# Altium PCB Tigershark 3D R2.1.PcbDoc (part 1 of 4) (continued)
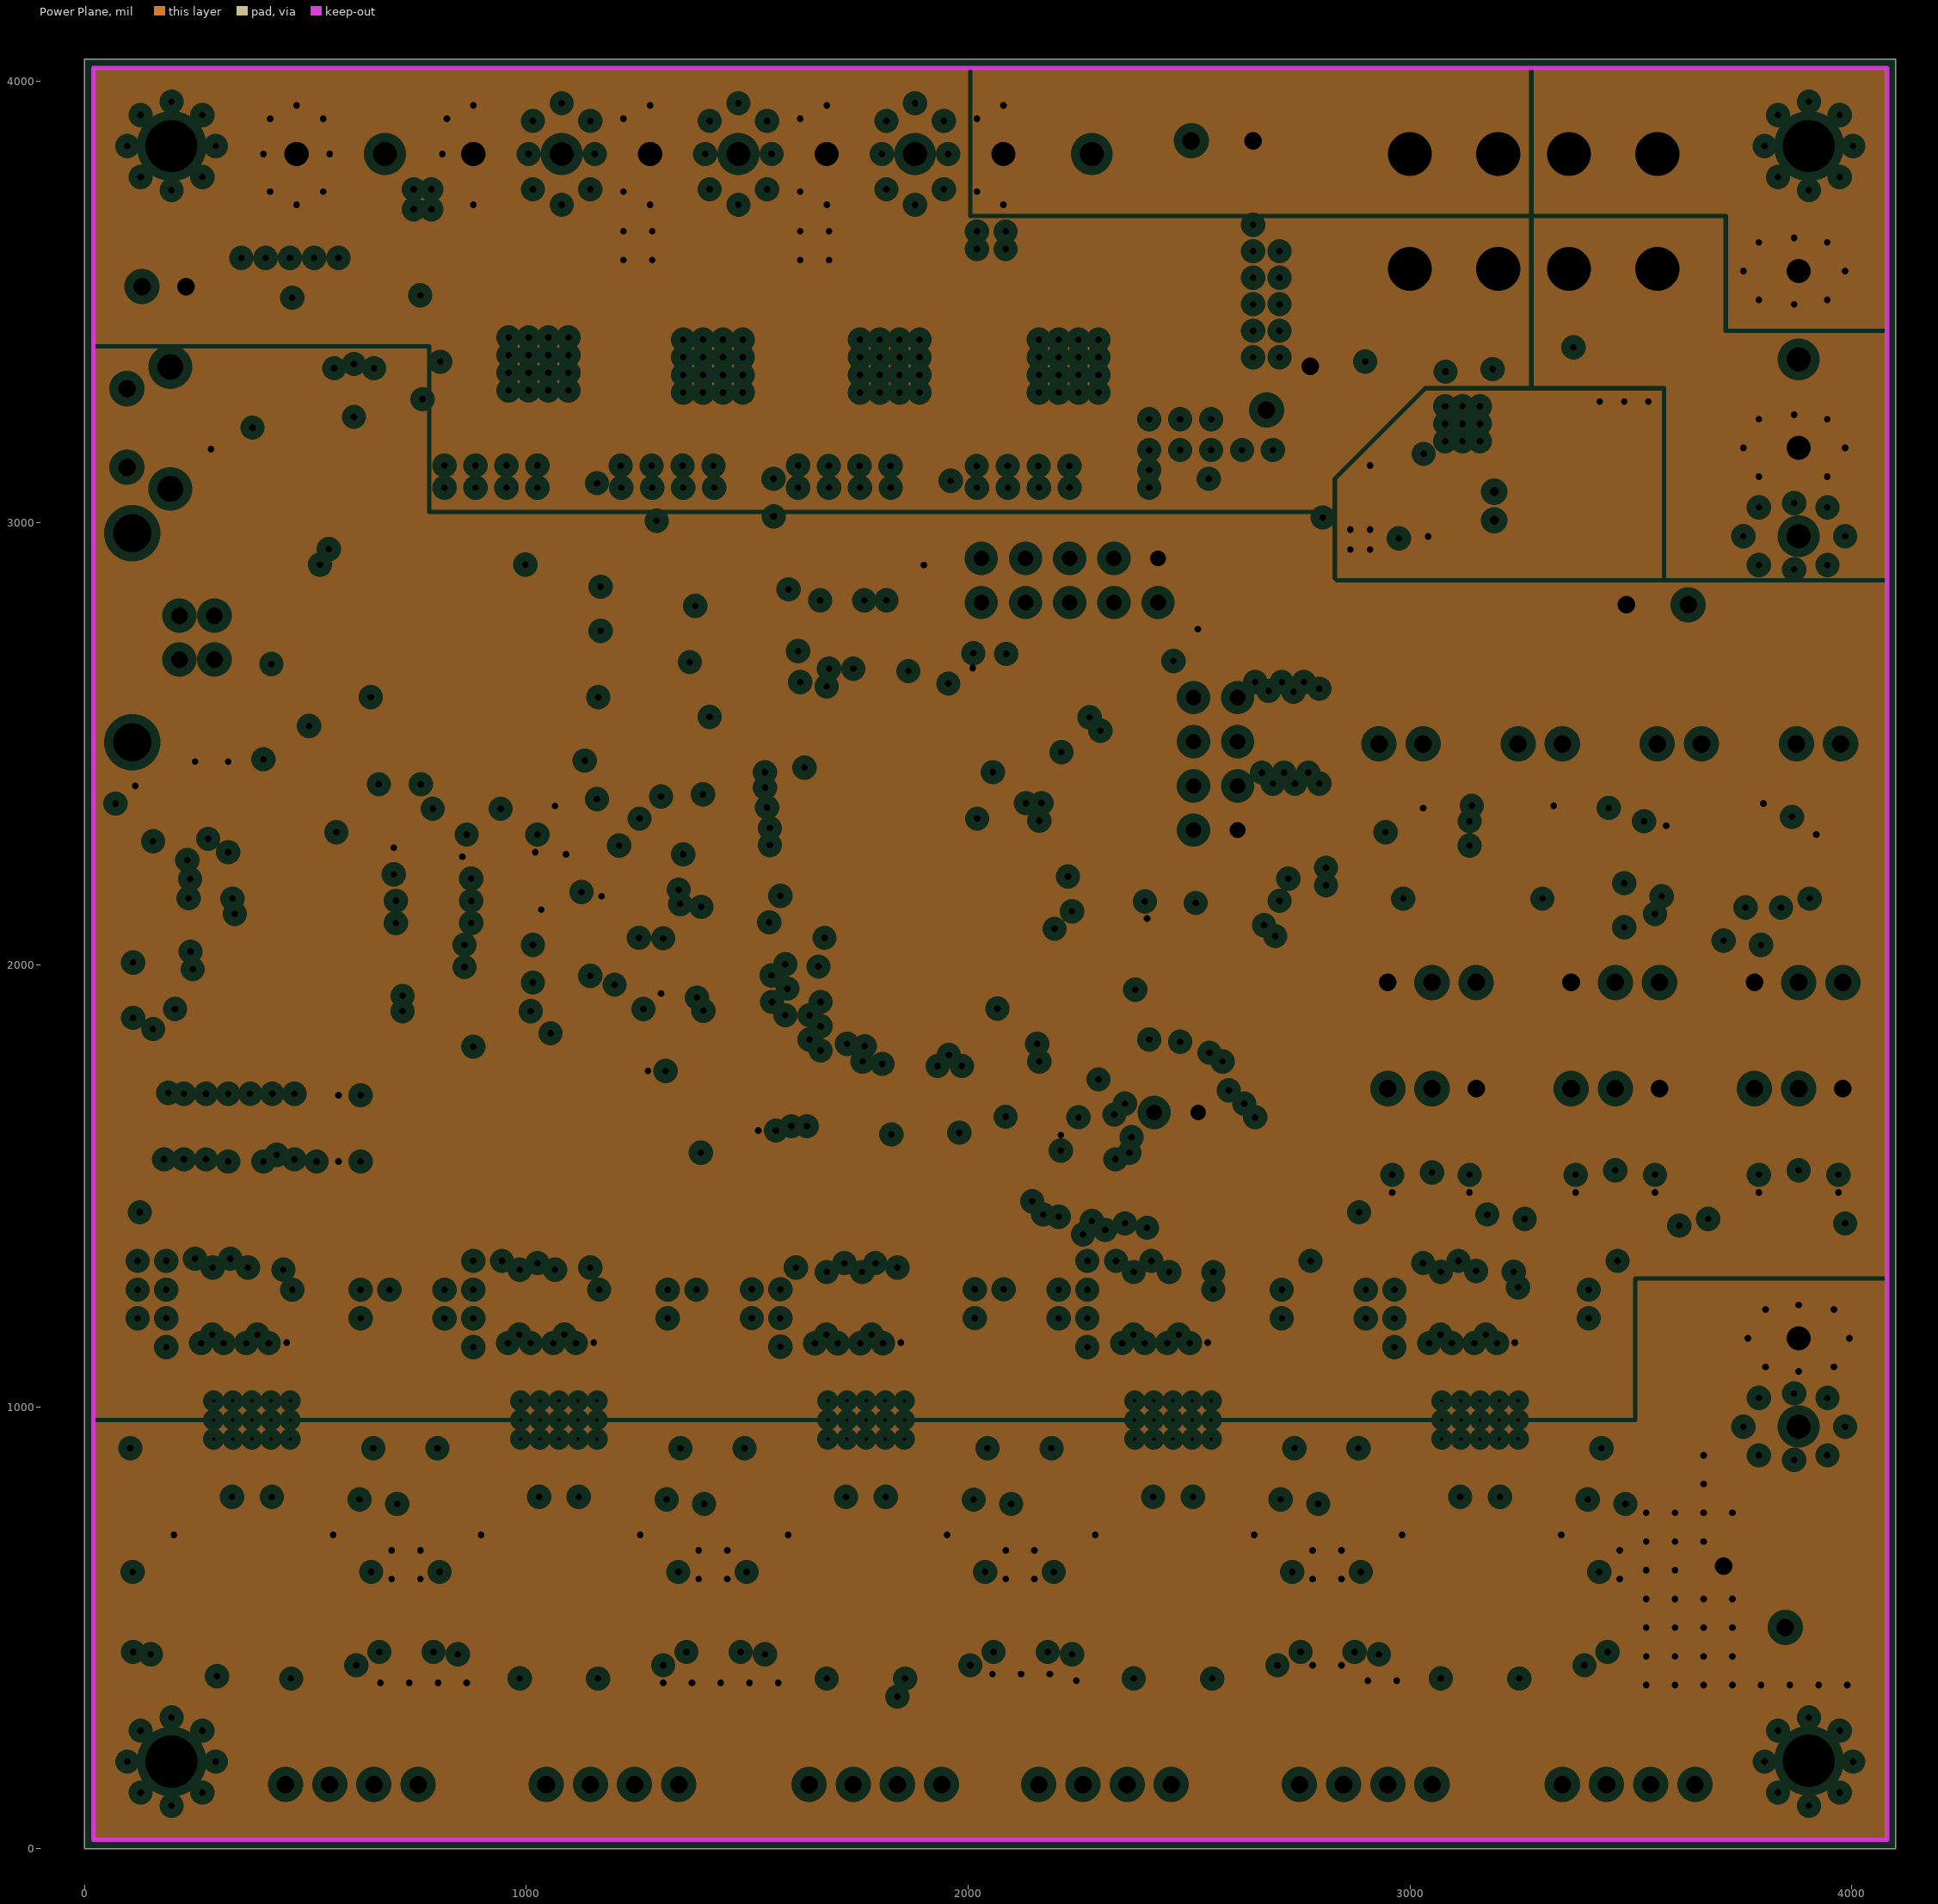
[diagram p3: Power Plane, clearances drawn from the general rule]

## Layer stack, top to bottom
Top Solder: solder mask 0.4, Solder Resist, Dk 3.5
Top Layer: signal copper 2.75
Dielectric1: prepreg 21.654, FR-4, Dk 4.2
Groun Plane: plane copper 1.4, net (Multiple Nets)
Dielectric2: core 10.236, FR-4, Dk 4.2
Power Plane: plane copper 1.4, net (Multiple Nets)
Dielectric3: prepreg 21.54, FR-4, Dk 4.2
Bottom Layer: signal copper 2.75
Bottom Solder: solder mask 0.4, Solder Resist, Dk 3.5

## Board outline
0,0 4100,0 4100,4050 0,4050

## Design rules (kind name [scope] priority, off if disabled: settings)
Clearance [All] p1: gap=7
ComponentClearance [All] p1: gap=0 collisioncheckmode=3 verticalgap=10 showdistances=FALSE
DiffPairsRouting [All] p1: maxlimit=10 minlimit=10 mostfreqgap=10 toplayer_minwidth=15 toplayer_maxwidth=15 toplayer_prefwidth=15 bottomlayer_minwidth=15 bottomlayer_maxwidth=15 bottomlayer_prefwidth=15 maxuncoupledlength=500
FanoutControl Fanout_SOIC [(InComponent('U8') AND InComponent('U7'))] p3: bgadir=Out bgaviamode=Centered fanoutstyle=Staggered fanoutdirection=Alternating viagrid=1 // Fanout_SOIC (Default Rule)
FanoutControl Fanout_Small [All] p4: bgadir=Out bgaviamode=Centered fanoutstyle=Auto fanoutdirection=Alternating viagrid=1 // Fanout_Small (Default Rule)
HoleSize [All] p1: absolutevalues=TRUE maxlimit=200 minlimit=15 maxpercent=80.000 minpercent=20.000
MinimumSolderMaskSliver [All] p1 off: minsoldermaskwidth=10
PlaneClearance [All] p1: clearance=20
PlaneConnect [All] p1: planeconnectstyle=Direct reliefexpansion=20 reliefentries=4 reliefconductorwidth=10 reliefairgap=10
PolygonConnect [All] p1: connectstyle=Direct reliefconductorwidth=45 reliefentries=4 polygonreliefangle="90 Angle" airgapwidth=10
RoutingVias [All] p1: holewidth=15 width=25 viastyle="Through Hole" minholewidth=15 minwidth=25 maxholewidth=28 maxwidth=50
SilkToSilkClearance [All] p1 off: silktosilkclearance=10
SilkToSolderMaskClearance SilkscreenOverComponentPads [IsPad] p1 off: minsilkscreentomaskgap=10 clearancetoexposedcopper=TRUE
SolderMaskExpansion [All] p1: expansion=4
UnpouredPolygon [All] p1: allowunpoured=FALSE
Width [All] p1: maxlimit=200 minlimit=7 preferedwidth=8 minimp=50.000000 maximp=50.000000 favimp=50.000000
19 further rules are at their usual default settings.

## Classes and differential pairs
net class TP21_Nets: STEP_Z
net class TP20_Nets: DIR_Z
net class TP19_Nets: MOD0E_Z
net class TP18_Nets: MOD1E_Z
net class TP17_Nets: MOD2E_Z
net class TP16_Nets: EN_Z
net class TP15_Nets: REF_Z
net class STEP_BUS[1..4]: STEP_BUS1 STEP_BUS2 STEP_BUS3 STEP_BUS4
net class REF_BUS[1..4]: REF_BUS1 REF_BUS2 REF_BUS3 REF_BUS4
net class R39_Nets: GND NetR39_2
net class R38_Nets: GND NetR38_2
net class R37_Nets: NetC51_2 REF_Z
net class R36_Nets: +12VCC1 NetC35_2
net class MOD2E_BUS[1..4]: MOD2E_BUS1 MOD2E_BUS2 MOD2E_BUS3 MOD2E_BUS4
net class MOD1E_BUS[1..4]: MOD1E_BUS1 MOD1E_BUS2 MOD1E_BUS3 MOD1E_BUS4
net class MOD0E_BUS[1..4]: MOD0E_BUS1 MOD0E_BUS2 MOD0E_BUS3 MOD0E_BUS4
net class M3_Nets: NetC52_1 NetC62_1 NetC67_1 NetC72_1
net class M2_Nets: NetC52_1 NetC62_1 NetC67_1 NetC72_1
net class EN_BUS[1..4]: EN_BUS1 EN_BUS2 EN_BUS3 EN_BUS4
net class DRV_RESET_BUS[1..4]: DRV_RESET_BUS1 DRV_RESET_BUS2 DRV_RESET_BUS3 DRV_RESET_BUS4
net class DIR_BUS[1..4]: DIR_BUS1 DIR_BUS2 DIR_BUS3 DIR_BUS4
net class D28_Nets: GND NetC72_1
net class D27_Nets: GND NetC67_1
net class D26_Nets: GND NetC62_1
net class D25_Nets: GND NetC52_1
net class C72_Nets: GND NetC72_1
net class C70_Nets: 3.3VCC GND
net class C67_Nets: GND NetC67_1
net class C62_Nets: GND NetC62_1
net class C52_Nets: GND NetC52_1
net class C51_Nets: GND NetC51_2
net class C50_Nets: GND NetC50_2
net class C49_Nets: NetC49_1 NetC49_2
net class C35_Nets: +12VCC1 NetC35_2
net class C69_Nets: 3.3VCC GND
net class U5_Nets: 3.3VCC +12VCC1 DIR_Z EN_Z GND MOD0E_Z MOD1E_Z MOD2E_Z NetC35_2 NetC49_1 NetC49_2 NetC50_2 NetC51_2 NetC52_1 NetC62_1 NetC67_1 NetC72_1 NetR38_2 NetR39_2 NetU7_M5_18 NetU7_M5_19 NetU7_M5_27 STEP_Z
net class R35_Nets: GND NetC34_2
net class D24_Nets: FGND NetC34_2
net class C34_Nets: GND NetC34_2
net class P3_Nets: 3.3VCC EXP_CS GND I2C_SCL I2C_SDA MISO MOSI NetP3_1 NetP3_3 NetP3_5 NetP3_7 RXD1 SCLK TXD1
net class T4_Nets: 3.3VCC AN_EXP0 AN_EXP1 DIR_EXP1 DIR_EXP2 EN_EXP1 EN_EXP2 GND MODE0_EXP1 MODE0_EXP2 MODE1_EXP1 MODE1_EXP2 MODE2_EXP1 MODE2_EXP2 REF_EXP1 REF_EXP2 STEP_EXP1 STEP_EXP2
net class R34_Nets: 3.3VCC MCDZ2
net class R29_Nets: 3.3VCC MCDZ3
net class R28_Nets: 3.3VCC MCCDZ
net class R27_Nets: 3.3VCC MCCK
net class R26_Nets: 3.3VCC MCDZ0
net class R25_Nets: 3.3VCC MCDZ1
net class T3_Nets: 3.3VCC EXP_CS2 EXP_SYNC GND I2C_SCL I2C_SDA MCCDZ MCCK MCDZ0 MCDZ1 MCDZ2 MCDZ3 MISO MOSI RESET RXD0 SCLK TXD0
net class C29_Nets: 3.3VCC GND
net class SD_Nets: 3.3VCC GND MCCDZ MCCK MCDZ0 MCDZ1 MCDZ2 MCDZ3 NetC34_2 NetSD_1 NetSD_2 NetSD_3 NetSD_4 NetSD_5 NetSD_6 NetSD_7 NetSD_8 NetSD_9 NetSD_10 NetSD_11 NetSD_12 NetSD_13
net class R24_Nets: INPUT_GND NetC24_2
net class D8_Nets: FGND NetC24_2
net class C24_Nets: INPUT_GND NetC24_2
net class FB1_Nets: 3.3VCC NetC19_2
net class C19_Nets: GND NetC19_2
channel class TR: TR1 TR2
channel class TC: TC1 TC2
channel class M: M1 M2 M3 M4 M5
channel class ES: ES1 ES2 ES3
component class TR2: C30_TR2 D3_ThermistorChannel2 D3_TR2 D5_ThermistorChannel2 D5_TR2 P2_TR2 R14_TR2 R19_ThermistorChannel2 R19_TR2 TP52_TR2
component class TR1: C30_ThermistorChannel1 C30_TR1 D3_ThermistorChannel1 D3_TR1 D5_ThermistorChannel1 D5_TR1 P2_TR1 R14_TR1 R19_ThermistorChannel1 R19_TR1 TP52_TR1
net class THERM_AN_BUS[1..2]: THERM_AN0
net class TC_CS_BUS[1..2]: TC_CS0
net class SCLK[1..2]: SCLK0 SCLK1 SCLK2
net class MISO[1..2]: MISO0 MISO1 MISO2
net class MIN_ES_BUS[1..3]: MIN_ES0
net class MAX_ES_BUS[1..3]: MAX_ES0
component class Designator: C4 C7 C9 C10 C11 C15 C16 C18 C21 C22 C40 D1 D2 D4 D6 D7 D9 F1 F2 H1 H2 H3 H4 "Heat Power" L1 "Motor Power" R1 R7 R8 R9 R10 R11 R12 R17 TP1 TP2 TP3 U1 U2
component class "ATSAM3X8E Main Controller": C13 C19 C23 C24 C27 C28 C29 C32 C33 C34 C36 C37 C38 C39 C41 C42 C43 C44 C45 C46 C47 C48 C53 C54 C55 C56 C57 C58 C59 C60 C61 C63 C64 C65 C73 D8 D24 DA1 DA2 DA3 DA4 DA5 FB1 FB4 FB5 FB6 FB7 FB8 FB9 FD1 FD2 FD3 JTAG/DEBUG LOGO1 microSD P1 P3 P4 R4 R5 R6 R15 R16 R18 R20 R21 R22 R23 R24 R25 R26 R27 R28 R29 R34 R35 S1 SD T3 T4 TP4 TP5 TP6 TP7 TP8 U3 U6 USB X2
component class M1: C3_M1 C5_M1 C6_M1 C8_M1 C12_M1 C14_M1 C66_M1 C68_M1 C71_M1 C75_M1 D20_M1 D21_M1 D22_M1 D23_M1 M1_M1 R30_M1 R31_M1 R32_DriverChannelDRV88251 R32_M1 R33_DriverChannelDRV88251 R33_M1 TP32_M1 TP33_M1 TP35_M1 TP36_M1 TP37_M1 TP39_M1 TP40_M1 U7_M1
component class M2: C3_M2 C5_M2 C6_M2 C8_M2 C12_M2 C14_M2 C66_M2 C68_M2 C71_M2 C75_M2 D20_M2 D21_M2 D22_M2 D23_M2 M1_M2 R30_M2 R31_M2 R32_DriverChannelDRV88252 R32_M2 R33_DriverChannelDRV88252 R33_M2 TP32_M2 TP33_M2 TP35_M2 TP36_M2 TP37_M2 TP39_M2 TP40_M2 U7_M2
component class M3: C3_M3 C5_M3 C6_M3 C8_M3 C12_M3 C14_M3 C66_M3 C68_M3 C71_M3 C75_M3 D20_M3 D21_M3 D22_M3 D23_M3 M1_M3 R30_M3 R31_M3 R32_DriverChannelDRV88253 R32_M3 R33_DriverChannelDRV88253 R33_M3 TP32_M3 TP33_M3 TP35_M3 TP36_M3 TP37_M3 TP39_M3 TP40_M3 U7_M3
component class M4: C3_M4 C5_M4 C6_M4 C8_M4 C12_M4 C14_M4 C66_M4 C68_M4 C71_M4 C75_M4 D20_M4 D21_M4 D22_M4 D23_M4 M1_M4 R30_M4 R31_M4 R32_DriverChannelDRV88254 R32_M4 R33_DriverChannelDRV88254 R33_M4 TP32_M4 TP33_M4 TP35_M4 TP36_M4 TP37_M4 TP39_M4 TP40_M4 U7_M4
component class U_MZ: C35 C49 C50 C51 C52 C62 C67 C69 C70 C72 D25 D26 D27 D28 M2 M3 R32_DriverChannelDRV88255 R33_DriverChannelDRV88255 R36 R37 R38 R39 TP15 TP16 TP17 TP18 TP19 TP20 TP21 U5
component class ES1: C1_ES1 C2_ES1 MAX1_ES1 MIN1_ES1 R2_ES1 R3_ES1 TP9_ES1 TP10_ES1
component class ES2: C1_ES2 C2_ES2 MAX1_ES2 MIN1_ES2 R2_ES2 R3_ES2 TP9_ES2 TP10_ES2
component class ES3: C1_ES3 C2_ES3 MAX1_ES3 MIN1_ES3 R2_ES3 R3_ES3 TP9_ES3 TP10_ES3
component class TC1: C31_TC1 T2_TC1 U4_TC1 U4_ThermocoupleChannel1
component class TC2: C31_TC2 T2_TC2 U4_TC2 U4_ThermocoupleChannel2
component class "U_MOSFETs and Driver": C17 C20 C25 C26 D10 D11 D12 D13 D14 D15 D16 D17 D18 D19 FAN-1 Q2 Q3 Q4 Q5 Q6 Q7 R13 R45 R46 R47 R52 R55 R56 R58 R59 R60 R62 R63 R64 R66 R67 R68 R70 R71 T1 TP11 TP12 TP13 TP14 TP38 TP41 TP42 TP43 TP44 TP45 TP46 TP47 TP48 TP49 TP50 TP51 U8
net class C1_ES1_Nets: GND MIN_ES1
net class C1_ES2_Nets: GND MIN_ES2
net class C1_ES3_Nets: GND MIN_ES3
net class C2_ES1_Nets: GND MAX_ES1
net class C2_ES2_Nets: GND MAX_ES2
net class C2_ES3_Nets: GND MAX_ES3
net class C3_M1_Nets: GND NetC3_M1_1
net class C3_M2_Nets: GND NetC3_M2_1
net class C3_M3_Nets: GND NetC3_M3_1
net class C3_M4_Nets: GND NetC3_M4_1
net class C4_Nets: +5VCC GND
net class C5_M1_Nets: GND NetC5_M1_1
net class C5_M2_Nets: GND NetC5_M2_1
net class C5_M3_Nets: GND NetC5_M3_1
net class C5_M4_Nets: GND NetC5_M4_1
net class C6_M1_Nets: GND NetC6_M1_1
net class C6_M2_Nets: GND NetC6_M2_1
net class C6_M3_Nets: GND NetC6_M3_1
net class C6_M4_Nets: GND NetC6_M4_1
net class C8_M1_Nets: GND NetC8_M1_1
net class C8_M2_Nets: GND NetC8_M2_1
net class C8_M3_Nets: GND NetC8_M3_1
net class C8_M4_Nets: GND NetC8_M4_1
net class C9_Nets: +12VCC2 GND
net class C10_Nets: +12VCC2 GND
net class C11_Nets: +5VCC GND
net class C13_Nets: GND VDDANA
net class C17_Nets: +5VCC GND
net class C20_Nets: +5VCC GND
net class C21_Nets: +5VCC GND
net class C22_Nets: GND NetC22_1
net class C23_Nets: GND VDDOUT
net class C25_Nets: 3.3VCC GND
net class C26_Nets: 3.3VCC GND
net class C27_Nets: GND VDDANA
net class C28_Nets: GND VDDBU
net class C30_TR1_Nets: GND THERM_AN1
net class C30_TR2_Nets: GND THERM_AN2
net class C31_TC1_Nets: 3.3VCC GND
net class C31_TC2_Nets: 3.3VCC GND
net class C32_Nets: GND VDDPLL
net class C33_Nets: GND VDDPLL
net class C36_Nets: GND VDDOUT
net class C37_Nets: GND VDDOUT
net class C38_Nets: GND VDDOUT
net class C39_Nets: GND VDDOUT
net class C40_Nets: NetC40_1 NetC40_2
net class C41_Nets: GND VDDOUT
net class C42_Nets: GND VDDOUT
net class C43_Nets: GND NetC43_2
net class C44_Nets: GND NetC44_2
net class C45_Nets: 3.3VCC GND
net class C46_Nets: 3.3VCC GND
net class C47_Nets: 3.3VCC GND
net class C48_Nets: 3.3VCC GND
net class C53_Nets: GND VDDBU
net class C54_Nets: GND VDDIN
net class C55_Nets: GND VDDIN
net class C56_Nets: GND NetC56_2
net class C57_Nets: GND VBUS
net class C58_Nets: INPUT_GND NetC58_2
net class C59_Nets: INPUT_GND NetC59_2
net class C60_Nets: GND VDDUTMI
net class C61_Nets: GND VDDUTMI
net class C63_Nets: GND RESET
net class C64_Nets: 3.3VCC GND
net class C65_Nets: AVREF GND
net class C66_M1_Nets: +12VCC1 NetC66_M1_2
net class C66_M2_Nets: +12VCC1 NetC66_M2_2
net class C66_M3_Nets: +12VCC1 NetC66_M3_2
net class C66_M4_Nets: +12VCC1 NetC66_M4_2
net class C68_M1_Nets: NetC68_M1_1 NetC68_M1_2
net class C68_M2_Nets: NetC68_M2_1 NetC68_M2_2
net class C68_M3_Nets: NetC68_M3_1 NetC68_M3_2
net class C68_M4_Nets: NetC68_M4_1 NetC68_M4_2
net class C71_M1_Nets: GND NetC71_M1_2
net class C71_M2_Nets: GND NetC71_M2_2
net class C71_M3_Nets: GND NetC71_M3_2
net class C71_M4_Nets: GND NetC71_M4_2
net class C73_Nets: GND NetC73_2
net class C75_M1_Nets: GND NetC75_M1_2
net class C75_M2_Nets: GND NetC75_M2_2
net class C75_M3_Nets: GND NetC75_M3_2
net class C75_M4_Nets: GND NetC75_M4_2
net class D1_Nets: GND OVREF
net class D2_Nets: NetC40_2 NetD2_A
net class D3_TR1_Nets: OVREF THERM_AN1
net class D3_TR2_Nets: OVREF THERM_AN2
net class D4_Nets: +12VCC3 GND
net class D5_TR1_Nets: GND THERM_AN1
net class D5_TR2_Nets: GND THERM_AN2
net class D6_Nets: +12VCC2 GND
net class D7_Nets: GND NetD7_A
net class D9_Nets: GND NetD9_A
net class D10_Nets: NetD10_A NetD10_C
net class D11_Nets: NetD11_A NetD11_C
net class D12_Nets: +12VCC2 NetD12_1
net class D13_Nets: NetD12_1 NetD13_A
net class D14_Nets: NetD14_A NetD14_C
net class D15_Nets: +12VCC2 NetD14_C
net class D16_Nets: NetD16_A NetD16_C
net class D17_Nets: +12VCC2 NetD16_C
net class D18_Nets: NetD18_A NetD18_C
net class D19_Nets: +12VCC3 NetD18_C
net class D20_M1_Nets: GND NetC3_M1_1
net class D20_M2_Nets: GND NetC3_M2_1
net class D20_M3_Nets: GND NetC3_M3_1
net class D20_M4_Nets: GND NetC3_M4_1
net class D21_M1_Nets: GND NetC5_M1_1
net class D21_M2_Nets: GND NetC5_M2_1
net class D21_M3_Nets: GND NetC5_M3_1
net class D21_M4_Nets: GND NetC5_M4_1
net class D22_M1_Nets: GND NetC6_M1_1
net class D22_M2_Nets: GND NetC6_M2_1
net class D22_M3_Nets: GND NetC6_M3_1
net class D22_M4_Nets: GND NetC6_M4_1
net class D23_M1_Nets: GND NetC8_M1_1
net class D23_M2_Nets: GND NetC8_M2_1
net class D23_M3_Nets: GND NetC8_M3_1
net class D23_M4_Nets: GND NetC8_M4_1
net class DA1_Nets: GND MAX_ES1 MIN_ES1
net class DA2_Nets: GND MAX_ES2 MIN_ES2
net class DA3_Nets: GND MAX_ES3 MIN_ES3
net class DA4_Nets: INPUT_GND R_N R_P
net class DA5_Nets: NetC19_2 THERM_AN1 THERM_AN2
net class F1_Nets: +12VCC2 NetF1_1
net class F2_Nets: +12VCC3 NetF2_1
net class FAN-1_Nets: +12VCC2 NetD10_C
net class FB4_Nets: VDDOUT VDDPLL
net class FB5_Nets: 3.3VCC VDDIN
net class FB6_Nets: 3.3VCC VDDANA
net class FB7_Nets: 3.3VCC VDDBU
net class FB8_Nets: 3.3VCC VDDUTMI
net class FB9_Nets: 3.3VCC AVREF
net class "Heat Power_Nets": GND NetF1_1 NetF2_1
net class JTAG/DEBUG_Nets: 3.3VCC GND NetJTAG/DEBUG_7 RESET TCK/SWDCLK TDI TDO/SWO TMS/SWDIO
net class L1_Nets: +5VCC NetC40_2
net class M1_M1_Nets: NetC3_M1_1 NetC5_M1_1 NetC6_M1_1 NetC8_M1_1
net class M1_M2_Nets: NetC3_M2_1 NetC5_M2_1 NetC6_M2_1 NetC8_M2_1
net class M1_M3_Nets: NetC3_M3_1 NetC5_M3_1 NetC6_M3_1 NetC8_M3_1
net class M1_M4_Nets: NetC3_M4_1 NetC5_M4_1 NetC6_M4_1 NetC8_M4_1
net class MAX1_ES1_Nets: 3.3VCC GND MAX_ES1
net class MAX1_ES2_Nets: 3.3VCC GND MAX_ES2
net class MAX1_ES3_Nets: 3.3VCC GND MAX_ES3
net class MIN1_ES1_Nets: 3.3VCC GND MIN_ES1
net class MIN1_ES2_Nets: 3.3VCC GND MIN_ES2
net class MIN1_ES3_Nets: 3.3VCC GND MIN_ES3
net class "Motor Power_Nets": +12VCC1 GND
net class P1_Nets: 3.3VCC ERASE
net class P2_TR1_Nets: GND NetP2_TR1_1
net class P2_TR2_Nets: GND NetP2_TR2_1
net class Q2_Nets: GND NetD10_C NetQ2_1
net class Q3_Nets: GND NetD11_C NetQ3_1
net class Q4_Nets: GND NetD12_1 NetQ4_4
net class Q5_Nets: GND NetD14_C NetQ5_4
net class Q6_Nets: GND NetD16_C NetQ6_4
net class Q7_Nets: GND NetD18_C NetQ7_4
net class R1_Nets: +12VCC2 OVREF
net class R2_ES1_Nets: 3.3VCC MIN_ES1
net class R2_ES2_Nets: 3.3VCC MIN_ES2
net class R2_ES3_Nets: 3.3VCC MIN_ES3
net class R3_ES1_Nets: 3.3VCC MAX_ES1
net class R3_ES2_Nets: 3.3VCC MAX_ES2
net class R3_ES3_Nets: 3.3VCC MAX_ES3
net class R4_Nets: GND NetR4_1
net class R5_Nets: NetR5_2 UMCU_P
net class R6_Nets: 3.3VCC NetR6_1
net class R7_Nets: +5VCC NetR7_1
net class R8_Nets: +5VCC NetD7_A
net class R9_Nets: GND NetD2_A
net class R10_Nets: +5VCC NetR10_2
net class R11_Nets: 3.3VCC NetD9_A
net class R12_Nets: GND NetR10_2
net class R13_Nets: +12VCC2 NetD10_A
net class R14_TR1_Nets: NetP2_TR1_1 THERM_AN1
net class R14_TR2_Nets: NetP2_TR2_1 THERM_AN2
net class R15_Nets: UI_P UMCU_P
net class R16_Nets: UI_N UMCU_N
net class R17_Nets: +12VCC2 NetR17_1
net class R18_Nets: R_N UD_N
net class R19_TR1_Nets: 3.3VCC NetP2_TR1_1
net class R19_TR2_Nets: 3.3VCC NetP2_TR2_1
net class R20_Nets: R_P UD_P
net class R21_Nets: 3.3VCC RESET
net class R22_Nets: NetR22_2 UMCU_N
net class R23_Nets: GND NetC73_2
net class R30_M1_Nets: +12VCC1 NetC66_M1_2
net class R30_M2_Nets: +12VCC1 NetC66_M2_2
net class R30_M3_Nets: +12VCC1 NetC66_M3_2
net class R30_M4_Nets: +12VCC1 NetC66_M4_2
net class R31_M1_Nets: NetC75_M1_2 REF1
net class R31_M2_Nets: NetC75_M2_2 REF2
net class R31_M3_Nets: NetC75_M3_2 REF3
net class R31_M4_Nets: NetC75_M4_2 REF4
net class R32_M1_Nets: GND NetR32_M1_2
net class R32_M2_Nets: GND NetR32_M2_2
net class R32_M3_Nets: GND NetR32_M3_2
net class R32_M4_Nets: GND NetR32_M4_2
net class R33_M1_Nets: GND NetR33_M1_2
net class R33_M2_Nets: GND NetR33_M2_2
net class R33_M3_Nets: GND NetR33_M3_2
net class R33_M4_Nets: GND NetR33_M4_2
net class R45_Nets: NetQ2_1 NetR45_1
net class R46_Nets: GND NetR45_1
net class R47_Nets: +12VCC2 NetD11_A
net class R52_Nets: NetQ3_1 NetR52_1
net class R55_Nets: GND NetR52_1
net class R56_Nets: +12VCC2 NetD13_A
net class R58_Nets: NetQ4_4 NetR58_1
net class R59_Nets: GND NetR58_1
net class R60_Nets: +12VCC2 NetD14_A
net class R62_Nets: NetQ5_4 NetR62_1
net class R63_Nets: GND NetR62_1
net class R64_Nets: +12VCC2 NetD16_A
net class R66_Nets: NetQ6_4 NetR66_1
net class R67_Nets: GND NetR66_1
net class R68_Nets: +12VCC3 NetD18_A
net class R70_Nets: NetQ7_4 NetR70_1
net class R71_Nets: GND NetR70_1
net class S1_Nets: FGND GND NetS1_3 NetS1_4 RESET
net class T1_Nets: +12VCC2 +12VCC3 NetD11_C NetD12_1 NetD14_C NetD16_C NetD18_C
net class T2_TC1_Nets: NetT2_TC1_1 NetT2_TC1_2
net class T2_TC2_Nets: NetT2_TC2_1 NetT2_TC2_2
net class TP1_Nets: +5VCC
net class TP2_Nets: OVREF
net class TP3_Nets: 3.3VCC
net class TP4_Nets: TC_CS1
net class TP5_Nets: TC_CS2
net class TP6_Nets: SCLK
net class TP7_Nets: MISO
net class TP8_Nets: MOSI
net class TP9_ES1_Nets: MIN_ES1
net class TP9_ES2_Nets: MIN_ES2
net class TP9_ES3_Nets: MIN_ES3
net class TP10_ES1_Nets: MAX_ES1
net class TP10_ES2_Nets: MAX_ES2
net class TP10_ES3_Nets: MAX_ES3
net class TP11_Nets: NetD12_1
net class TP12_Nets: NetD14_C
net class TP13_Nets: NetD16_C
net class TP14_Nets: NetD18_C
net class TP32_M1_Nets: EN1
net class TP32_M2_Nets: EN2
net class TP32_M3_Nets: EN3
net class TP32_M4_Nets: EN4
net class TP33_M1_Nets: REF1
net class TP33_M2_Nets: REF2
net class TP33_M3_Nets: REF3
net class TP33_M4_Nets: REF4
net class TP35_M1_Nets: MOD2E1
net class TP35_M2_Nets: MOD2E2
net class TP35_M3_Nets: MOD2E3
net class TP35_M4_Nets: MOD2E4
net class TP36_M1_Nets: MOD1E1
net class TP36_M2_Nets: MOD1E2
net class TP36_M3_Nets: MOD1E3
net class TP36_M4_Nets: MOD1E4
net class TP37_M1_Nets: MOD0E1
net class TP37_M2_Nets: MOD0E2
net class TP37_M3_Nets: MOD0E3
net class TP37_M4_Nets: MOD0E4
net class TP38_Nets: BED_PWM
net class TP39_M1_Nets: DIR1
net class TP39_M2_Nets: DIR2
net class TP39_M3_Nets: DIR3
net class TP39_M4_Nets: DIR4
net class TP40_M1_Nets: STEP1
net class TP40_M2_Nets: STEP2
net class TP40_M3_Nets: STEP3
net class TP40_M4_Nets: STEP4
net class TP41_Nets: NetR45_1
net class TP42_Nets: NetR52_1
net class TP43_Nets: FET_PWM1
net class TP44_Nets: FET_PWM2
net class TP45_Nets: FET_PWM3
net class TP46_Nets: FET_PWM4
net class TP47_Nets: FET_PWM5
net class TP48_Nets: NetR58_1
net class TP49_Nets: NetR62_1
net class TP50_Nets: NetR66_1
net class TP51_Nets: NetR70_1
net class TP52_TR1_Nets: THERM_AN1
net class TP52_TR2_Nets: THERM_AN2
net class U1_Nets: +12VCC2 GND NetC22_1 NetC40_1 NetC40_2 NetD2_A NetR7_1 NetR10_2 NetR17_1
net class U2_Nets: 3.3VCC +5VCC GND
net class U3_Nets: 3.3VCC AN_EXP0 AN_EXP1 AVREF BED_PWM DIR1 DIR2 DIR3 DIR4 DIR_EXP1 DIR_EXP2 DIR_Z EN1 EN2 EN3 EN4 EN_EXP1 EN_EXP2 EN_Z ERASE EXP_CS EXP_CS2 EXP_SYNC FET_PWM1 FET_PWM2 FET_PWM3 FET_PWM4 FET_PWM5 GND GPIO_P_0 GPIO_P_1 GPIO_P_2 GPIO_P_3 GPIO_P_4 GPIO_P_5 I2C_SCL I2C_SDA MAX_ES1 MAX_ES2 MAX_ES3 MCCDZ MCCK MCDZ0 MCDZ1 MCDZ2 MCDZ3 MIN_ES1 MIN_ES2 MIN_ES3 MISO MOD0E1 MOD0E2 MOD0E3 MOD0E4 MOD0E_Z MOD1E1 MOD1E2 MOD1E3 MOD1E4 MOD1E_Z MOD2E1 MOD2E2 MOD2E3 MOD2E4 MOD2E_Z MODE0_EXP1 MODE0_EXP2 MODE1_EXP1 MODE1_EXP2 MODE2_EXP1 MODE2_EXP2 MOSI NetC43_2 NetC44_2 NetC73_2 NetR4_1 NetR5_2 NetR6_1 NetR22_2 NetU3_32 NetU3_48 NetU3_127 NetU3_136 NetU3_137 NetU3_138 NRST REF1 REF2 REF3 REF4 REF_EXP1 REF_EXP2 REF_Z RESET RXD0 RXD1 SCLK SHDN SPD STEP1 STEP2 STEP3 STEP4 STEP_EXP1 STEP_EXP2 STEP_Z TC_CS1 TC_CS2 TCK/SWDCLK TDI TDO/SWO THERM_AN1 THERM_AN2 TMS/SWDIO TXD0 TXD1 UMCU_N UMCU_P VBUS VDDANA VDDBU VDDIN VDDOUT VDDPLL VDDUTMI XOUT32
net class U4_TC1_Nets: 3.3VCC GND MISO NetT2_TC1_1 NetT2_TC1_2 NetU4_TC1_8 SCLK TC_CS1
net class U4_TC2_Nets: 3.3VCC GND MISO NetT2_TC2_1 NetT2_TC2_2 NetU4_TC2_8 SCLK TC_CS2
net class U6_Nets: GND INPUT_GND NetC56_2 NetC58_2 NetC59_2 UD_N UD_P UI_N UI_P VBUS
net class U7_M1_Nets: 3.3VCC +12VCC1 DIR1 EN1 GND MOD0E1 MOD1E1 MOD2E1 NetC3_M1_1 NetC5_M1_1 NetC6_M1_1 NetC8_M1_1 NetC66_M1_2 NetC68_M1_1 NetC68_M1_2 NetC71_M1_2 NetC75_M1_2 NetR32_M1_2 NetR33_M1_2 NetU7_M1_18 NetU7_M1_19 NetU7_M1_27 STEP1
net class U7_M2_Nets: 3.3VCC +12VCC1 DIR2 EN2 GND MOD0E2 MOD1E2 MOD2E2 NetC3_M2_1 NetC5_M2_1 NetC6_M2_1 NetC8_M2_1 NetC66_M2_2 NetC68_M2_1 NetC68_M2_2 NetC71_M2_2 NetC75_M2_2 NetR32_M2_2 NetR33_M2_2 NetU7_M2_18 NetU7_M2_19 NetU7_M2_27 STEP2